# KiCad board tida_010057_imported.kicad_pcb (continued)
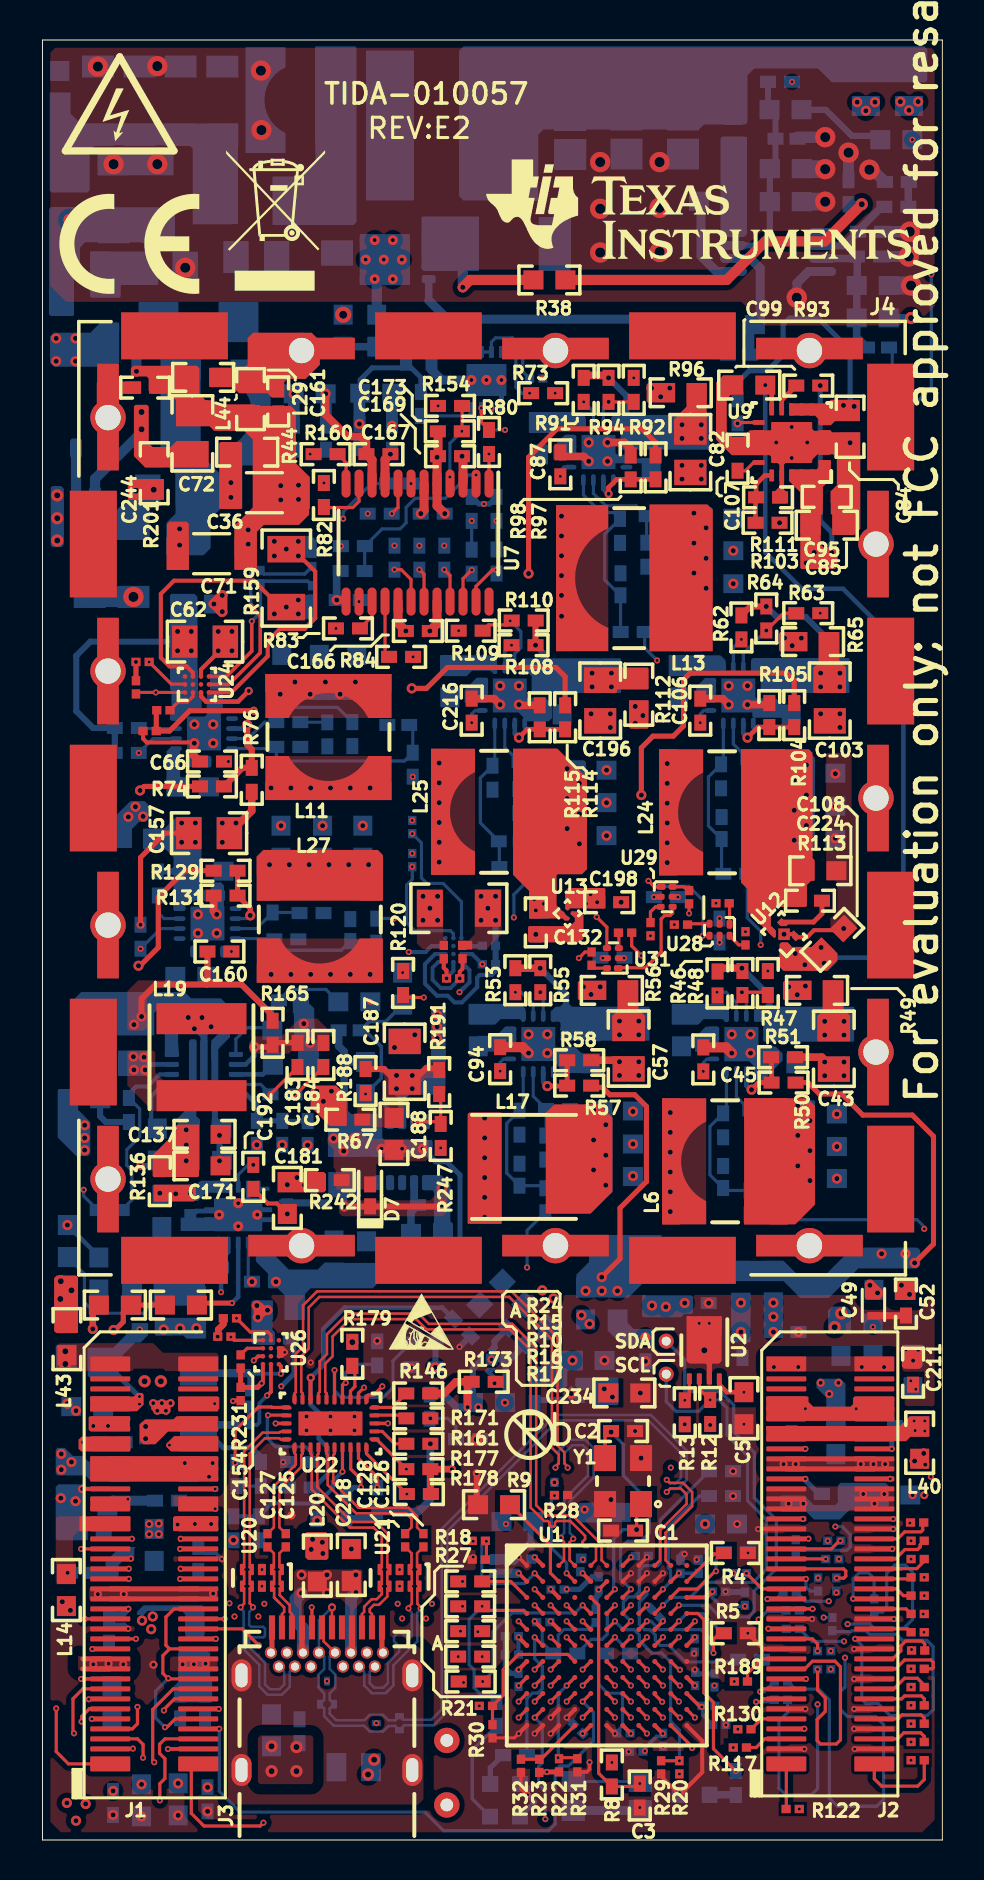
[diagram p0: board, top side]
## Routing (per net, layer and track width the routed paths; a pad name or vN(x,y) marks a point on that pad's centre or on a via; arc(x,y) is an arc through that point) (continued)
NetC119_1: length 3
  Bottom Layer w0.203: U8.10 6.03,37.78 5.44,37.19 5.44,35.88 C119.1
NetC120_1: length 7.8
  Signal Layer 2 w0.254: v1(13.26,34.74) 13.26,35.79 12.55,36.5 8.18,36.5 v1(7.19,35.51)
  vias: v1(7.19,34.75) v1(7.19,33.96)
NetC121_1: length 7.3
  Bottom Layer w0.159: R140.2 2.1,28.3 2.1,26.89 2.64,26.34 5.04,26.34 C191.1
NetC130_2: length 2.1
  Bottom Layer w0.159: v3(19.4,21.08) 20.27,21.08 20.68,20.68 R162.1
NetC132_1: length 19.2
  Top Layer w0.254: R114.2 26.14,58.17 25.68,58.63 20.25,58.63 19.2,57.58 v1(18.47,57.58)
  Signal Layer 2 w0.254: v1(26.24,53.57) 22.48,53.57 v1(18.47,57.58)
  vias: v1(26.24,52.07) v1(26.24,50.57) v1(26.85,52.83) v1(26.85,51.31) v1(26.85,49.81) v3(24.59,47.04) v3(24.67,46.48) v3(25.08,46.81)
NetC157_1: length 8
  Top Layer w0.254: v3(4.9,45.76) 4.9,49.12 6.12,50.34 C157.1
  Bottom Layer w0.254: 7.45,48.43 C159.1
  Bottom Layer w0.305: R127.1 7.45,48.43
  vias: v1(6.96,50.85) v1(6.96,49.89) v1(7.65,50.85) v1(7.65,49.89)
NetC160_1: length 0.4
  Bottom Layer w0.159: v2(9.45,44.42) 9.45,44.42 U30.9
NetC164_1: length 61.1
  Signal Layer 1 w0.381: v1(28.5,22.15) 28.5,22.99 29.38,23.87 29.38,30.64 26.62,33.4 26.62,39.95 28.55,41.88 28.55,45.61 29.56,46.63 29.56,47.15 27.58,49.13 27.58,54.53 26.8,55.3 26.8,58.89 23.52,62.18 23.52,69.01 22.66,69.88 21.84,69.88 21.84,69.88 18.3,69.88 v1(17.48,70.71)
  Signal Layer 1 w0.508: v1(28.09,22.56) v1(28.5,22.15)
  Bottom Layer w0.584: L32.1 17.48,72.33 v1(17.48,70.71)
NetC173_1: length 3.8
  Top Layer w0.159: R154.2 20.98,70.44 v2(20.97,70.43)
  Bottom Layer w0.159: v2(20.37,68.15) 20.37,69.83 v2(20.97,70.43)
NetC175_1: length 1.4
  Bottom Layer w0.159: C175.1 36.49,52.83 R107.1
NetC176_2:
  vias: v1(19.84,53.85) v1(19.84,52.86) v1(19.84,51.87) v1(19.84,50.88) v1(19.84,49.89) v1(19.84,48.9)
NetC179_1: length 21.5
  Signal Layer 2 w0.229: v2(8.93,27.39) 8.94,27.4 9.93,27.4 10.06,27.27 12.08,27.27 12.37,27.56 12.37,28.42 11.23,29.57 2.43,29.57 v1(1.24,30.75)
  Bottom Layer w0.229: R137.1 2.82,29.17 v1(1.24,30.75) ; U15.9 9.29,29.4 8.93,29.05 C179.1 v2(8.93,27.39) 8.94,27.38
NetC181_1:
  vias: v1(12.24,32.77) v1(12.73,33.12) v1(13.11,32.74)
NetC182_2: length 4.6
  Bottom Layer w0.229: U8.5 10.19,37.28 10.72,36.75 R142.2 ; R138.1 12,35.94 C182.2
  Bottom Layer w0.254: R142.2 C182.2
NetC183_1: length 3.9
  Top Layer w0.159: C183.1 12.75,38.64 v2(11.4,37.29)
  Bottom Layer w0.159: v2(11.4,37.29) 10.91,37.78 U8.4
NetC184_1: length 2
  Top Layer w0.159: v2(12.6,37.29) 12.68,37.29 C184.1
NetC186_1: length 4.3
  Bottom Layer w0.381: R239.2 18.43,28.77 R190.1 18.43,31.4 C186.1 18.58,31.95 U16.7
NetC187_1: length 4.7
  Top Layer w0.305: R188.2 17.08,38.55 17.73,37.9 C187.1 18.49,37.9 19.18,38.58 19.75,38.58 R191.1
  Bottom Layer w0.305: 18.44,37.95 18.36,37.95 18.08,37.67
  vias: v1(17.7,38.23) v1(17.7,37.57) v1(18.49,38.23) v1(18.49,37.57)
NetC188_2: length 14.7
  Bottom Layer w0.254: R239.1 20.88,29.59 20.88,33.25 20.22,33.91 19.66,33.91 19.01,34.56 v4(19.01,34.57) 19.23,34.57
  Bottom Layer w0.381: 15.09,38.7 15.09,39.1 ; 15.09,38.7 15.29,38.9 ; 15.09,38.7 C194.2 ; 15.09,39.1 15.09,39.42 14.81,39.7 D8.2 ; 15.09,39.1 15.29,38.9 ; 15.29,38.9 R241.1
  vias: v1(14.55,35.08) v1(15.06,34.44) v1(15.6,35.1) v4(16.95,34.57) v4(17.98,34.57)
NetC190_1: length 13.7
  Top Layer w0.254: R163.2 R195.2 4.04,26.37 4.04,25.91 3.63,25.5 v1(3.56,25.5)
  Signal Layer 2 w0.254: v1(3.56,25.5) 3.56,26.16 5.36,27.97 10.42,27.97 v1(10.47,27.91)
  Bottom Layer w0.159: v1(10.47,27.91) 10.29,28.1 U15.7
NetC190_2: length 12.3
  Top Layer w0.33: R195.1 2.51,26.44 v1(2.51,25.55)
  Signal Layer 2 w0.33: v1(11.67,27.91) 11.07,28.52 4.97,28.52 2.51,26.06 v1(2.51,25.55)
NetC192_2: length 1.6
  Bottom Layer w0.159: U15.3 9.79,33.26 10.29,33.76 v3(10.54,33.76)
NetC196_1: length 3.3
  Top Layer w0.305: v1(24.65,59.74) 24.65,60.96 R110.1
  Bottom Layer w0.305: v1(24.65,59.74) 25.1,59.29 25.1,58.31 U14.1
  vias: v1(27.48,58.34) v1(27.48,57.66) v1(28.45,58.34) v1(28.45,57.66)
NetC198_1:
  vias: v1(1.22,1.85) v1(1.68,0.97) v1(2.16,1.8) v3(27.18,46.81) v3(27.41,47.29) v3(27.74,46.89)
NetC206_1: length 8.8
  Bottom Layer w0.178: U16.2 17.38,36.46 17.02,36.83 16.62,36.83 v2(16.15,37.3) 16.94,38.09 16.94,39.67 16.12,40.49 D8.1 16.34,40.92 17.16,40.92 C206.1
NetC208_2: length 4.3
  Bottom Layer w0.508: Q3.3 1.68,66.24 C208.2
  vias: v5(4.67,67.46) v5(5.56,67.51)
NetC216_1: length 1
  Bottom Layer w0.159: U14.9 21.64,56.48 21.46,56.3 v2(21.46,55.87)
NetC217_1: length 8.9
  Top Layer w0.287: 12.97,9.42 J3.A4
  Top Layer w0.305: 12.97,9.42 J3.B9 ; J3.B4 15.47,9.42 J3.A9
  Bottom Layer w0.584: J3.B4 15.42,12.12 v1(15.67,12.37)
  Bottom Layer w0.61: J3.B9 13.02,10.58 12.66,10.95 12.66,12.05 v1(12.95,12.34)
  vias: v1(12.95,13.26) v1(14.22,13.26) v1(14.22,12.34) v1(15.67,13.26)
NetC222_1: length 3.6
  Bottom Layer w0.159: U14.7 23.12,54.63 R118.2 23.85,52.61 C222.1
NetC223_1: length 1.4
  Bottom Layer w0.159: 25.05,52.56 R118.1 ; 25.09,52.56 25.1,52.55
NetC225_1: length 5.1
  Bottom Layer w0.159: U10.7 27.55,67.33 28.17,66.71 29.69,66.71 R101.2 30.21,64.87 C225.1
NetC226_1: length 1.4
  Bottom Layer w0.159: R101.1 31.41,64.92 C226.1
NetC227_1: length 37.4
  Top Layer w0.254: R129.2 7.11,48.46 5.79,47.14 5.79,44.63 4.88,43.71 v1(4.8,43.71)
  Signal Layer 1 w0.254: v1(4.8,43.71) 3.43,42.34 3.43,36.7 5.46,34.67 5.46,32.92 4.34,31.8 4.34,18.69 5.33,17.7 v3(5.33,15.8)
  vias: v1(11.35,48.77) v1(12.34,48.77) v1(13.33,48.77) v1(14.33,48.77) v1(15.32,48.77) v1(16.31,48.77) v3(5.33,15.29) v3(5.82,15.82) v3(5.82,15.29)
NetC230_1: length 3.5
  Bottom Layer w0.159: U30.7 10.7,45.57 R133.2 12.82,46.38 C230.1
NetC231_1: length 1.4
  Bottom Layer w0.159: C231.1 11.57,47.64 R133.1
NetC237_2: length 8.1
  Bottom Layer w0.159: C237.2 33.96,48.4 D10.1 33.3,50.71 33.3,53.15 R106.1 34.05,53.9 U11.8
NetC238_2: length 7.9
  Bottom Layer w0.159: C238.2 22.84,49.91 D11.1 21.89,50.86 21.89,53.1 R116.1 22.62,53.83 U14.8
NetC239_2: length 7.8
  Bottom Layer w0.159: C239.2 34.16,32.48 D12.1 33.38,33.26 33.38,35.68 R60.1 34.2,36.5 U4.8
NetC240_2: length 7.6
  Bottom Layer w0.159: U5.8 24.04,36.65 R61.1 23.22,35.83 23.22,33.35 D13.1 25.02,32.72 C240.2
NetC243_1: length 8.2
  Bottom Layer w0.159: C243.1 14.17,42.53 12.36,42.53 D17.1 11.49,41.66 R139.1 11.37,40.61 10.24,40.61 9.67,40.05 U8.1 9.92,39.28
NetD1_1: length 1.7
  Bottom Layer w0.254: D1.1 22.39,3.61 R14.2
NetD2_1: length 1.3
  Bottom Layer w0.381: R26.2 34.66,2.26 D2.1
NetD4_1: length 6.1
  Bottom Layer w0.45: D4.1 35.37,75.52 R34.1 35.89,76.04 35.89,78.58 35.4,79.08 U3.6
NetD4_2: length 17.8
  Bottom Layer w0.381: 19.31,76.98 Q1.4
  Bottom Layer w0.45: 34.27,74.32 34.27,75.52 R34.2 33.75,76.04 20.25,76.04 19.31,76.98
NetD9_1: length 5.4
  Bottom Layer w0.159: D9.1 21.49,2.06 21.49,4.49 R43.2
NetD18_2: length 1.5
  Bottom Layer w0.159: R123.2 42.49,74.47 D18.2
NetJ1_10: length 12.8
  Top Layer w0.159: 6.22,5.64 6.64,6.06 J1.10 ; 6.36,9.56 6.17,9.74 6.17,11.15 6.58,11.56 J1.32 ; 6.36,9.56 J1.24 ; 6.36,9.56 6.02,9.22 6.02,8.33 6.3,8.06 J1.18
  Bottom Layer w0.159: v2(6.12,5.64) 5.66,6.1 5.66,7.44 v2(6.3,8.08)
NetL42_1:
  vias: v1(0.69,75.08) v1(0.69,73.94) v1(1.65,75.08) v1(1.65,73.94) v5(39.62,25.64) v5(39.95,26.32)
NetL43_1:
  vias: v5(0.74,67.23) v5(0.74,66.09) v5(0.74,64.97) v5(0.91,27.94) v5(0.89,27.05) v5(1.45,27.48)
NetQ1_1: length 5.9
  Top Layer w0.508: R38.2 21.39,78 v1(21.02,77.63)
  Bottom Layer w0.508: v1(21.02,77.63) R41.2
NetR1_2: length 10.6
  Top Layer w0.159: U1.E7 v2(29.43,10.94)
  Bottom Layer w0.159: v2(29.43,10.94) 29.05,11.32 29.05,11.9 29.3,12.15 29.58,12.15 29.85,12.42 29.85,13.49 30.07,13.72 30.76,13.72 30.9,13.85 30.9,16.01 R1.2
NetR2_2: length 4
  Top Layer w0.159: U1.C10 31.84,12.55 32.74,12.55 33.68,13.49 v2(33.68,13.44)
  Bottom Layer w0.159: R2.2 33.68,14.01 v2(33.68,13.44)
NetR3_2: length 1.4
  Top Layer w0.178: U1.F6 v2(28.63,10.14)
  Bottom Layer w0.159: 29.06,9.5 29.06,9.7 v2(28.63,10.14)
NetR4_2: length 2.5
  Top Layer w0.159: 34.15,14.3 33.59,14.3 U1.B11
NetR5_2: length 6.2
  Top Layer w0.159: R5.2 33.86,10.34 33.55,10.03 v2(33.55,9.35) ; U1.E8 v2(30.23,10.94)
  Bottom Layer w0.159: v2(30.23,10.94) 30.43,10.94 30.85,10.52 31.99,10.52 31.99,10.52 32.3,10.52 32.31,10.52 32.92,10.52 32.92,10.52 32.94,10.52 33.39,10.06 33.39,9.51 v2(33.55,9.35)
NetR6_2: length 6.6
  Top Layer w0.178: U1.C9 v2(31.03,12.53)
  Bottom Layer w0.159: R6.2 32.84,17.2 31.29,15.65 31.29,13.6 31.41,13.49 31.41,12.91 v2(31.03,12.53)
NetR7_1: length 8.5
  Top Layer w0.159: U1.C8 v2(30.23,12.53)
  Bottom Layer w0.159: 34.82,8.98 34.86,9.02 ; v2(30.23,12.53) 30.23,12.27 29.85,11.89 29.85,10.78 30.11,10.51 30.38,10.51 30.65,10.25 30.65,9.98 30.9,9.73 31.33,9.73 32.16,8.9 34.67,8.9 R7.1
NetR9_2: length 4.8
  Top Layer w0.159: U1.B3 25.4,13.35 25.4,14.74 R9.2
NetR10_2: length 17.2
  Top Layer w0.159: U1.D7 v2(29.43,11.74)
  Signal Layer 1 w0.102: v2(29.43,11.74) 29.08,12.09 26.87,12.09 26.56,11.78 26.56,10.79 26.26,10.49 26.07,10.49 25.83,10.25 25.83,8.44 25.56,8.17 25.34,8.17 24.96,7.79 24.96,6.78 24.76,6.57 24.57,6.57 24.26,6.27 24.26,6.08 23.96,5.77 23.32,5.77 21.6,7.5 21.6,10.25 v2(21.77,10.41)
NetR11_2: length 4.3
  Top Layer w0.159: U1.D6 v2(28.63,11.74)
  Bottom Layer w0.159: v2(28.63,11.74) 28.25,11.35 28.25,10.29 27.99,10.03 27.45,10.03 26.62,9.21
NetR14_1: length 7.1
  Top Layer w0.159: v2(24.61,10.14) U1.F2
  Bottom Layer w0.159: R14.1 24.22,7.07 24.5,7.34 24.77,7.34 24.99,7.57 24.99,8.69 24.61,9.07 v2(24.61,10.14)
NetR15_1: length 8.2
  Top Layer w0.159: U1.D1 24.07,11.48 22.19,11.48 v2(21.99,11.68)
  Bottom Layer w0.159: R43.1 22.35,7.26 21.93,7.26 21.58,7.61 21.58,8.52 21.34,8.76 21.34,11.03 v2(21.99,11.68)
NetR16_1: length 5.7
  Top Layer w0.159: v2(25.41,11.74) U1.D3
  Signal Layer 2 w0.102: v2(21.99,9.17) 22.37,9.55 22.37,10.56 23.1,11.29 24.92,11.29 25.36,11.74 v2(25.41,11.74)
NetR17_1: length 8.3
  Top Layer w0.159: v2(27.01,11.74) U1.D5
  Bottom Layer w0.159: v2(27.01,11.74) 26.63,11.35 23.48,11.35 22.52,10.4 22.52,8.44 v2(22.01,7.92)
NetR24_1: length 2.6
  Top Layer w0.159: U1.C1 23.42,12.93 R24.1
NetR25_1: length 1.4
  Bottom Layer w0.305: R25.1 24.76,22 U17.3
NetR26_1: length 9.2
  Top Layer w0.159: v2(34.67,3.44) 33.55,4.56 33.55,6.88 33.07,7.36 33.07,11.03 32.77,11.33 U1.D11
NetR47_2: length 2.6
  Top Layer w0.159: v3(34.98,42.39) 36.27,42.39
  Bottom Layer w0.159: v3(34.98,42.39) 35.2,42.17 U4.15 35.2,41.19
NetR55_2: length 1.2
  Bottom Layer w0.159: U5.15 25.04,42.24 v3(24.89,42.39)
NetR63_2: length 4.2
  Top Layer w0.159: v3(36.2,60.48) 37.06,61.34 R63.2
  Bottom Layer w0.159: U11.15 35.05,59.33 v3(36.2,60.48)
NetR69_2: length 2
  Bottom Layer w0.159: U6.15 4.85,55.57 R69.2 4.73,55.6
NetR70_1: length 2.8
  Bottom Layer w0.159: U27.8 21.45,71.39 21.27,71.21 R70.1
NetR73_2: length 3.1
  Bottom Layer w0.159: v2(24.36,72.34) 23.98,72.34 23.67,72.64 23.67,74.07 23.34,74.4 U27.4
NetR75_1: length 1.5
  Top Layer w0.159: U7.1 22.33,69.3 v2(22.33,69.3)
NetR79_1: length 9.2
  Top Layer w0.159: U7.2 v2(21.68,68.25)
  Bottom Layer w0.159: v2(21.68,68.25) 21.32,68.25 20.15,67.09 18.64,67.09 18.19,66.63 18.19,65.86 17.88,65.56 16.98,65.56 R81.2 16.11,64.69 R79.1
NetR82_2: length 3.3
  Top Layer w0.159: 15.83,68.35 U7.11 15.83,66.93 15.52,66.62 14.1,66.62 R82.2
NetR83_2: length 1.6
  Top Layer w0.159: U7.15 16.48,61.18 R83.2
NetR84_2: length 2.8
  Top Layer w0.159: U7.16 17.13,59.36 R84.2
NetR85_2: length 1.6
  Top Layer w0.159: U7.8 17.78,66.63 v2(17.47,66.32)
NetR86_2:
  vias: v2(18.43,67.82)
NetR87_2: length 2.1
  Top Layer w0.159: U7.18 18.43,63.03 17.94,63.52 v2(17.6,63.52)
NetR88_2: length 1.7
  Top Layer w0.159: v2(18.85,63.52) 19.08,63.29 U7.19
NetR89_2: length 1.7
  Top Layer w0.159: v2(20.09,63.52) 20.38,63.23 U7.21
NetR90_1: length 2.4
  Top Layer w0.159: v2(16.74,17.63) 16.73,17.63 16.73,18.15 15.8,19.08 U22.24
NetR92_2: length 2.5
  Top Layer w0.159: v3(28.31,71.91) R92.2
  Bottom Layer w0.159: U10.15 28.05,71.65 v3(28.31,71.91)
NetR93_1: length 1.5
  Top Layer w0.234: U9.9 36.97,71.99 R93.1
NetR95_2: length 0.8
  Top Layer w0.159: U31.3 28.82,45.34 R95.2
NetR99_1: length 1.1
  Top Layer w0.159: U9.11 34.8,70.88 v3(34.76,70.83)
NetR102_2: length 0.8
  Top Layer w0.159: R102.2 27.6,43.59 U31.6
NetR103_1: length 2.9
  Top Layer w0.229: R103.1 35.66,67.11 R111.2 35.68,67.79 36.12,68.23 U9.16
NetR109_2: length 4.3
  Top Layer w0.159: R109.2 22.3,60.76 23.25,60.76 R110.2
  Bottom Layer w0.159: v2(23.39,60.96) 23.92,60.43 23.92,59.62 23.62,59.32 U14.15
NetR113_1: length 2.9
  Top Layer w0.241: R113.1 38.98,46.32 38.56,45.9 U12.3
NetR117_1: length 35.9
  Top Layer w0.159: U1.F10 v2(31.83,10.14)
  Signal Layer 1 w0.102: v2(34.54,4.62) 35.18,4.62 35.33,4.78 35.33,5.46 35.48,5.61 36.14,5.61 36.27,5.49 36.27,4.62 36.4,4.5 37.31,4.5 37.49,4.67 37.49,4.98 37.62,5.11 38.35,5.11 38.53,4.93 38.53,2.82 38.3,2.59 36.3,2.59 36.2,2.49 36.2,2.08 36.32,1.96 39.77,1.96 41.64,3.82 41.64,10.53 41.02,11.15 39.95,11.15 38.33,9.53 33.92,9.53 33.71,9.73 32.79,9.73 32.73,9.67 32.29,9.67 v2(31.83,10.14)
NetR122_1: length 32.2
  Top Layer w0.159: U1.F9 v2(31.03,10.14)
  Signal Layer 2 w0.102: v2(37.85,1.55) 43.21,1.55 44.28,2.63 44.28,9.31 43.13,10.46 42.52,10.46 41.55,11.43 41.53,11.43 41.49,11.47 39.28,11.47 38.97,11.78 38.97,12.44 38.76,12.65 38.3,12.65 38.05,12.4 38.05,11.58 37.85,11.38 36.86,11.38 36.73,11.25 36.73,10.24 36.42,9.93 35.03,9.93 34.88,10.07 34.88,10.53 34.72,10.69 34.09,10.69 33.91,10.52 31.41,10.52 v2(31.03,10.14)
NetR125_1: length 32
  Top Layer w0.159: U1.F7 v2(29.43,10.14)
  Signal Layer 2 w0.102: v2(43.46,9.53) 43.1,9.53 41.45,11.18 40.09,11.18 39.35,10.44 39.35,10.31 38.84,9.8 38,9.8 37.87,9.93 37.87,10.13 37.95,10.21 38.46,10.21 38.51,10.26 38.51,10.57 38.43,10.64 37.97,10.64 37.87,10.74 37.87,10.92 37.72,11.07 37.31,11.07 37.16,10.92 37.16,9.37 37.03,9.25 36.65,9.25 36.55,9.35 36.55,9.55 36.45,9.65 36.22,9.65 36.12,9.55 36.12,9.35 36.04,9.27 35.81,9.27 35.74,9.35 35.74,9.6 35.69,9.65 35.33,9.65 35.23,9.55 35.23,9.32 35.15,9.25 34.18,9.25 34.11,9.32 34.11,9.5 34.18,9.57 34.48,9.57 34.57,9.65 34.57,10.13 34.47,10.24 34.06,10.24 33.96,10.13 33.96,9.78 33.88,9.7 33.74,9.7 33.63,9.82 33.63,10.16 33.55,10.24 33.2,10.24 33.07,10.11 33.07,9.84 32.97,9.73 32.05,9.73 31.93,9.61 31.93,9.35 31.82,9.24 31.17,9.24 31.06,9.35 31.06,9.6 30.68,9.99 30.68,10.4 30.56,10.52 28.05,10.52 27.69,10.16 27.69,9.6 28.04,9.25 30.28,9.25 30.41,9.38 30.41,9.6 30.22,9.78 29.78,9.78 v2(29.43,10.14)
NetR127_2: length 2.1
  Bottom Layer w0.159: R127.2 5.77,46.38 6.07,46.07 U30.15
NetR130_1: length 33.6
  Top Layer w0.159: v2(31.88,8.51) 31.84,8.51 U1.G10
  Signal Layer 1 w0.102: v2(31.88,8.51) 31.48,8.91 31.1,8.91 30.23,9.78 27.87,9.78 27.36,9.27 27.36,8.67 27.36,8.67 27.36,6.95 27.51,6.81 28.09,6.81 28.28,6.99 28.28,7.87 28.49,8.08 29.62,8.08 29.78,8.24 29.78,8.66 29.99,8.87 30.42,8.87 30.64,8.65 30.64,7.56 30.87,7.34 31.31,7.34 31.44,7.21 31.44,7.08 31.44,6.65 31.62,6.47 32.02,6.47 32.28,6.22 32.28,5.98 32.48,5.77 33.01,5.77 33.55,5.23 33.55,2.57 34.59,1.53 35.75,1.53 35.94,1.72 35.94,2.62 36.2,2.88 37.82,2.88 38,3.05 38,3.73 37.69,4.04 34.44,4.04 34.16,4.32 34.16,4.46 34.16,4.46 34.16,4.92 v2(34.77,5.54)
NetR135_1: length 9.1
  Bottom Layer w0.159: R246.1 4.47,32 4.47,33.48 4.22,33.73 4.22,34.52 4.86,35.16 4.86,36.56 R135.1
  Bottom Layer w0.203: U8.11 5.86,38.28 5.25,37.67 4.67,37.67 4.42,37.41 4.42,37.13
NetR141_2: length 2
  Bottom Layer w0.229: 11.5,38.76 11.01,38.28 U8.3
NetR146_1: length 1.9
  Top Layer w0.159: U22.30 17.49,21.63 R146.1
NetR149_1: length 20.9
  Top Layer w0.159: U1.G9 v2(31.03,8.52)
  Signal Layer 1 w0.102: v2(31.03,8.52) 31.32,8.52 31.72,8.12 33.4,8.12 34.19,8.91 37.88,8.91 38.61,8.18 38.61,7.92 39.14,7.39 39.14,6.35 39.27,6.22 40.11,6.22 40.21,6.32 40.21,6.78 40.11,6.88 39.57,6.88 39.5,6.96 39.5,7.87 39.57,7.95 40.06,7.95 40.16,7.85 40.16,7.24 40.21,7.19 40.97,7.19 41.08,7.29 41.08,9.06 40.97,9.17 40.56,9.17 40.48,9.09 40.48,8.5 40.28,8.31 39.65,8.31 v2(39.42,8.53)
NetR150_1: length 30.6
  Top Layer w0.159: U1.F8 v2(30.23,10.14)
  Signal Layer 1 w0.102: v2(40.13,9.12) 39.95,8.94 38.23,8.94 37.97,9.19 34.06,9.19 33.8,8.94 31.93,8.94 31.42,9.45 30.91,9.45 v2(30.23,10.14)
  Bottom Layer w0.159: R150.1 37.64,7.55 38.81,7.55 39.34,7.01 39.34,2.09 39.75,1.69 41.72,1.69 42.06,2.03 42.06,5.77 41.65,6.17 40.26,6.17 39.9,6.53 39.9,7.42 40.13,7.65 v2(40.13,9.12)
NetR155_1: length 30.2
  Top Layer w0.159: U1.H10 31.83,7.72 v2(31.88,7.72)
  Signal Layer 1 w0.102: v2(38.76,6.78) 38.76,7.14 38.48,7.42 38.2,7.42 36.99,8.63 34.38,8.63 34.04,8.28 34.04,7.7 34.52,7.21 35,7.21 35.18,7.39 35.18,7.98 35.46,8.25 36.73,8.25 37.62,7.37 37.62,6.63 37.29,6.3 34.9,6.3 33.86,7.34 32.52,7.34 32.28,7.58 32.28,7.58 32.13,7.72 v2(31.88,7.72)
  Bottom Layer w0.159: R155.1 37.26,6.38 36.83,5.94 36.83,2.59 37.16,2.26 38.46,2.26 38.76,2.57 v2(38.76,6.78)
NetR156_1: length 30.7
  Top Layer w0.159: U1.H9 v2(31.03,7.72)
  Signal Layer 1 w0.102: v2(39.42,9.45) 39.42,10.16 39.7,10.44 40.4,10.44 40.79,10.83 40.98,10.83 41.33,10.49 41.33,3.88 39.82,2.38 39.04,2.38 38.78,2.64 38.78,3.25 38.96,3.43 40.18,3.43 40.31,3.56 40.31,4.11 40.16,4.27 38.91,4.27 38.78,4.39 38.78,4.97 38.96,5.16 40.13,5.16 40.21,5.23 40.21,5.87 40.1,5.97 34.67,5.97 33.6,7.04 32.25,7.04 31.96,7.34 31.73,7.34 31.34,7.72 v2(31.03,7.72)
NetR157_2: length 1.8
  Top Layer w0.159: U7.22 21.03,63.07 v2(21.46,63.5)
NetR158_2: length 2.1
  Top Layer w0.159: v2(22.71,63.5) 22.49,63.5 21.68,62.69 U7.23
NetR160_2: length 1.6
  Top Layer w0.159: U7.12 15.18,68.87 R160.2
NetR161_2: length 1.8
  Top Layer w0.159: R161.2 17.61,19.81 16.99,20.43 U22.27
NetR163_1: length 5
  Top Layer w0.254: R163.1 7.92,26.95 8.03,26.85 v2(9.47,26.85)
  Bottom Layer w0.229: v2(9.47,26.85) 9.79,27.16 U15.8
NetR167_2: length 1.1
  Top Layer w0.159: U28.1 34.36,46.82 R167.2
NetR168_1: length 8.4
  Top Layer w0.159: U22.5 14.6,23.5
  Bottom Layer w0.159: R168.1 17.53,23.96 17.53,22.63 17.02,22.13 14.94,22.13 14.61,22.46 v2(14.61,23.5)
NetR169_1: length 31.2
  Top Layer w0.159: U1.J10 v2(31.83,6.92)
  Signal Layer 2 w0.102: v2(31.83,6.92) 31.44,7.31 30.09,7.31 29.88,7.09 29.88,6.78 30.12,6.53 30.37,6.53 30.61,6.28 30.61,4.37 29.06,2.82 29.03,2.82 28.19,1.98 27.13,1.98 26.93,1.78 26.93,1.03 27.06,0.89 31.35,0.89 31.9,1.45 32.59,1.45 33.17,0.86 37.21,0.86 37.39,1.04 37.39,1.64 37.38,1.65 37.64,1.9 41.6,1.9 43.08,3.38 43.08,4.55 v2(43.43,4.9)
NetR170_2: length 5.1
  Top Layer w0.159: v2(11.28,21.23) 11.29,21.24 12.2,21.24 U22.12 12.23,21.23
  Bottom Layer w0.159: R170.2 13.48,19.34 13.16,19.66 11.66,19.66 11.24,20.08 11.24,21.2 v2(11.28,21.23)
NetR171_2: length 1.7
  Top Layer w0.159: R171.2 18.04,21.24 16.6,21.24 U22.29
NetR172_2: length 1.1
  Top Layer w0.159: U28.3 32.3,45.81 R172.2
NetR173_1: length 0.7
  Bottom Layer w0.178: 22.58,22.86 22.58,23.14 U23.3
  vias: v3(22.61,22.83)
NetR174_2: length 4.7
  Top Layer w0.159: v2(9.63,18.86) 9.63,20.48 10.8,21.65 11.45,21.65 11.47,21.63 U22.11
NetR175_2: length 1
  Top Layer w0.159: R175.2 34.82,44.76 U28.6
NetR179_2: length 1.9
  Top Layer w0.159: U22.3 15.4,22.45 15.62,22.67 15.62,23.66 15.49,23.78
NetR184_1: length 1.1
  Bottom Layer w0.216: U25.B1 21.99,44.7
  Bottom Layer w0.229: 21.99,44.7 R184.1
NetR187_2: length 1.1
  Top Layer w0.159: U29.3 30.66,46.66 30.4,46.41 R187.2
NetR189_1: length 31.1
  Top Layer w0.159: U1.J9 30.62,7.28 v2(30.99,6.91)
  Signal Layer 2 w0.102: v2(34.6,7.92) 35.2,7.32 35.2,6.48 35.48,6.2 35.48,5.13 35.71,4.9 38.76,4.9 39.5,5.64 39.5,7.59 39.67,7.77 40.08,7.77 40.21,7.65 40.21,4.52 39.53,3.84 36.85,3.84 36.78,3.91 36.78,4.47 36.68,4.57 36.32,4.57 36.22,4.47 36.22,3.91 36.15,3.84 35.81,3.84 35.2,4.44 35.2,5.65 34.57,6.29 34.57,7.52 34.44,7.65 34.14,7.65 34.01,7.52 34.01,6.24 33.84,6.07 33.5,6.07 33.32,6.25 33.32,7.22 33.17,7.37 32.54,7.37 32.39,7.21 32.39,6.71 32.21,6.54 31.69,6.54 31.32,6.91 v2(30.99,6.91)
NetR191_2: length 2.9
  Top Layer w0.159: R191.2 19.91,37.22 R247.1 19.8,35.92 v2(18.58,35.92)
NetR192_1: length 29.2
  Top Layer w0.159: U1.K11 v2(32.63,6.12)
  Signal Layer 2 w0.102: v2(32.63,6.12) 32.97,6.12 34.01,5.08 34.01,4.24 34.23,4.02 35.2,4.02 35.66,3.56 39.6,3.56 40.1,4.06 40.74,4.06 40.97,4.29 40.97,4.93 41.12,5.08 41.83,5.08 41.94,5.18 41.94,5.61 41.88,5.66 41.05,5.66 40.89,5.82 40.89,6.05 41,6.15 41.86,6.15 42.04,6.32 42.04,6.76 41.89,6.9 40.54,6.9 40.46,6.99 40.46,7.29 40.54,7.37 40.69,7.37 40.77,7.44 40.77,7.72 40.87,7.82 41.08,7.82 41.17,7.73 41.17,7.24 41.25,7.16 41.48,7.16 41.55,7.23 41.55,8.35 42.37,9.17 43.79,9.17 44.03,8.93 44.03,4.59 v2(43.43,3.99)
NetR193_1: length 35.4
  Top Layer w0.159: U1.L10 32.49,4.66 v2(32.49,4.6)
  Signal Layer 1 w0.102: v2(32.49,4.6) 32.49,3.39 31.99,2.9 30.91,2.9 30.07,2.06 25.4,2.06 24.69,1.35 24.69,0.86 25.09,0.47 40.15,0.47 42.64,2.96 42.64,6.34 43.03,6.73 v2(43.43,6.73)
NetR194_1: length 31.6
  Top Layer w0.159: U1.K10 31.83,6.12 v2(31.88,6.12)
  Signal Layer 2 w0.102: v2(31.88,6.12) 32.05,5.94 32.05,5.69 32.23,5.52 33.17,5.52 33.43,5.26 33.43,3.91 33.6,3.73 34.14,3.73 34.26,3.61 34.26,3.35 34.16,3.25 33.46,3.25 33.41,3.2 33.41,2.84 33.53,2.72 34.9,2.72 35.06,2.88 35.06,3.36 35.13,3.43 35.38,3.43 35.53,3.28 35.53,2.9 35.62,2.81 35.94,2.81 36,2.87 36,3.25 36.06,3.31 36.4,3.31 36.48,3.23 36.48,2.9 36.57,2.81 37.11,2.81 37.5,3.2 40.61,3.2 40.72,3.3 40.72,3.71 40.82,3.81 41.1,3.81 41.22,3.68 41.22,3.38 41.38,3.23 41.73,3.23 41.94,3.43 41.94,4.14 41.83,4.25 41.37,4.25 41.28,4.34 41.28,4.7 41.4,4.83 41.95,4.83 42.33,5.21 42.33,7.06 42.23,7.15 41.86,7.15 41.8,7.21 41.8,7.69 41.88,7.77 42.49,7.77 42.82,8.1 42.82,8.79 42.95,8.92 43.58,8.92 43.78,8.71 43.78,5.33 43.71,5.26 43.43,5.26 43.26,5.44 43.26,5.64 v2(43.43,5.82)
NetR196_1: length 31.6
  Top Layer w0.159: U1.K9 v2(31.03,6.12)
  Signal Layer 2 w0.102: v2(43.43,7.65) 43.43,7.24 43,6.81 43,5.17 42.72,4.89 42.72,3.51 41.37,2.15 37.4,2.15 37.13,1.88 37.13,1.28 37.01,1.15 35.86,1.15 35.69,1.33 35.69,1.78 35.51,1.96 34.77,1.96 34.57,1.75 34.57,1.32 34.4,1.15 33.29,1.15 32.71,1.73 31.78,1.73 31.23,1.18 27.32,1.18 27.21,1.29 27.21,1.57 27.33,1.69 28.31,1.69 29.04,2.42 30.03,2.42 30.27,2.66 30.27,3.54 30.99,4.26 31.2,4.26 31.42,4.49 31.42,5.72 v2(31.03,6.12)
NetR197_1: length 31.3
  Top Layer w0.159: U1.J8 v2(30.23,6.92)
  Signal Layer 2 w0.102: v2(30.23,6.92) 30.48,6.92 30.89,6.51 31.19,6.51 31.47,6.22 31.47,6.06 31.5,6.03 31.47,6.03 31.72,5.78 31.72,4.39 31.32,3.98 31.11,3.98 30.55,3.42 30.55,2.42 30.67,2.3 31.22,2.3 31.36,2.44 31.36,2.71 31.52,2.87 32.08,2.87 32.24,2.71 32.24,2.46 32.36,2.34 32.66,2.34 32.77,2.44 32.77,3.77 32.58,3.96 32.4,3.96 32.21,4.15 32.21,4.33 32.1,4.44 32.1,4.95 32.26,5.11 32.92,5.11 33.12,4.9 33.12,2.64 33.33,2.43 37.09,2.43 37.49,2.84 41.7,2.84 42.29,3.43 42.29,4.81 42.58,5.1 42.58,7.38 43.43,8.23 v2(43.43,8.56)
NetR198_1: length 30.9
  Top Layer w0.159: U1.G8 v2(30.23,8.52)
  Signal Layer 2 w0.102: v2(40.08,9.93) 40.08,10 40.9,10.82 41.19,10.82 42.03,9.98 42.03,9.72 40.71,8.4 39.95,8.4 39.22,7.68 39.22,6.05 38.38,5.21 35.96,5.21 35.81,5.36 35.81,5.84 36.03,6.06 36.36,6.06 36.47,5.94 36.47,5.66 36.65,5.49 36.96,5.49 37.08,5.61 37.08,5.87 37.27,6.06 37.63,6.06 37.72,6.15 37.72,6.48 37.59,6.61 36.32,6.61 36.24,6.69 36.24,7.34 36.37,7.47 37.59,7.47 37.72,7.59 37.72,8.15 37.56,8.31 33.26,8.31 33.07,8.12 30.92,8.12 30.52,8.52 v2(30.23,8.52)
  Bottom Layer w0.159: R198.1 38.48,9.93 v2(40.08,9.93)
NetR199_1: length 35.8
  Top Layer w0.159: U1.J6 v2(28.63,6.92)
  Signal Layer 1 w0.102: v2(43.37,15.85) 43.81,15.42 43.81,13.34 41.93,11.46 41.93,3.76 39.37,1.2 38.01,1.2 38,1.21 37.99,1.2 34.52,1.2 34.37,1.35 31.45,1.35 31.3,1.5 31.3,1.67 31.46,1.83 32.41,1.83 32.87,2.29 32.87,4.76 32.65,4.98 32.2,4.98 31.63,5.56 31.63,5.57 31.53,5.67 31.53,6.12 31.17,6.47 30.93,6.47 30.64,6.76 30.64,7.01 30.37,7.27 28.98,7.27 v2(28.63,6.92)
NetR216_1: length 34.2
  Top Layer w0.159: v2(24.61,6.12) U1.K2
  Signal Layer 1 w0.102: v2(25.15,1.04) 25.27,0.91 39.97,0.91 42.24,3.18 42.24,10.13 42.98,10.87 42.98,11.51 43.69,12.22 v2(44.09,12.22)
  Bottom Layer w0.159: v2(25.15,1.04) 25.15,2.44 24.81,2.78 24.81,3.67 24.99,3.86 24.99,5.74 v2(24.61,6.12)
NetR217_1: length 28.4
  Top Layer w0.159: v2(26.21,6.92) U1.J4
  Signal Layer 2 w0.102: v2(26.21,6.92) 26.21,7.23 26.56,7.58 26.56,8 26.74,8.17 27.24,8.17 27.48,8.42 27.48,8.66 27.81,8.99 31.85,8.99 31.94,8.91 37.3,8.91 37.49,9.09 37.49,9.4 37.62,9.53 37.95,9.53 38.07,9.4 38.07,9.06 38.23,8.91 39.37,8.91 39.83,9.36 39.83,9.69 39.65,9.87 39.65,10.19 v2(40.26,10.8)
  Bottom Layer w0.159: v2(40.26,10.8) 41.38,10.8 41.58,10.59 43.08,10.59 43.51,11.02 43.51,13.39 43.15,13.74 42.62,13.74 42.22,13.34 42.22,11.61 42,11.4 R217.1
NetR218_1: length 37.1
  Top Layer w0.159: v2(23.81,6.12) U1.K1
  Signal Layer 1 w0.102: v2(44.09,13.13) 44.09,15.62 43.28,16.44 42.24,16.44 42.06,16.26 41.29,16.26 39.1,18.45 37.94,18.45 37.63,18.14 36.29,18.14 34.78,16.62 29.03,16.62 28.83,16.42 27.85,16.42 27.3,16.96 26.75,16.96 26.28,16.49 24.42,16.49 22.46,14.54 22.46,7.76 23.81,6.42 v2(23.81,6.12)